# Altium PCB Control_Board_Model_C204.PcbDoc (part 1 of 6) (continued)
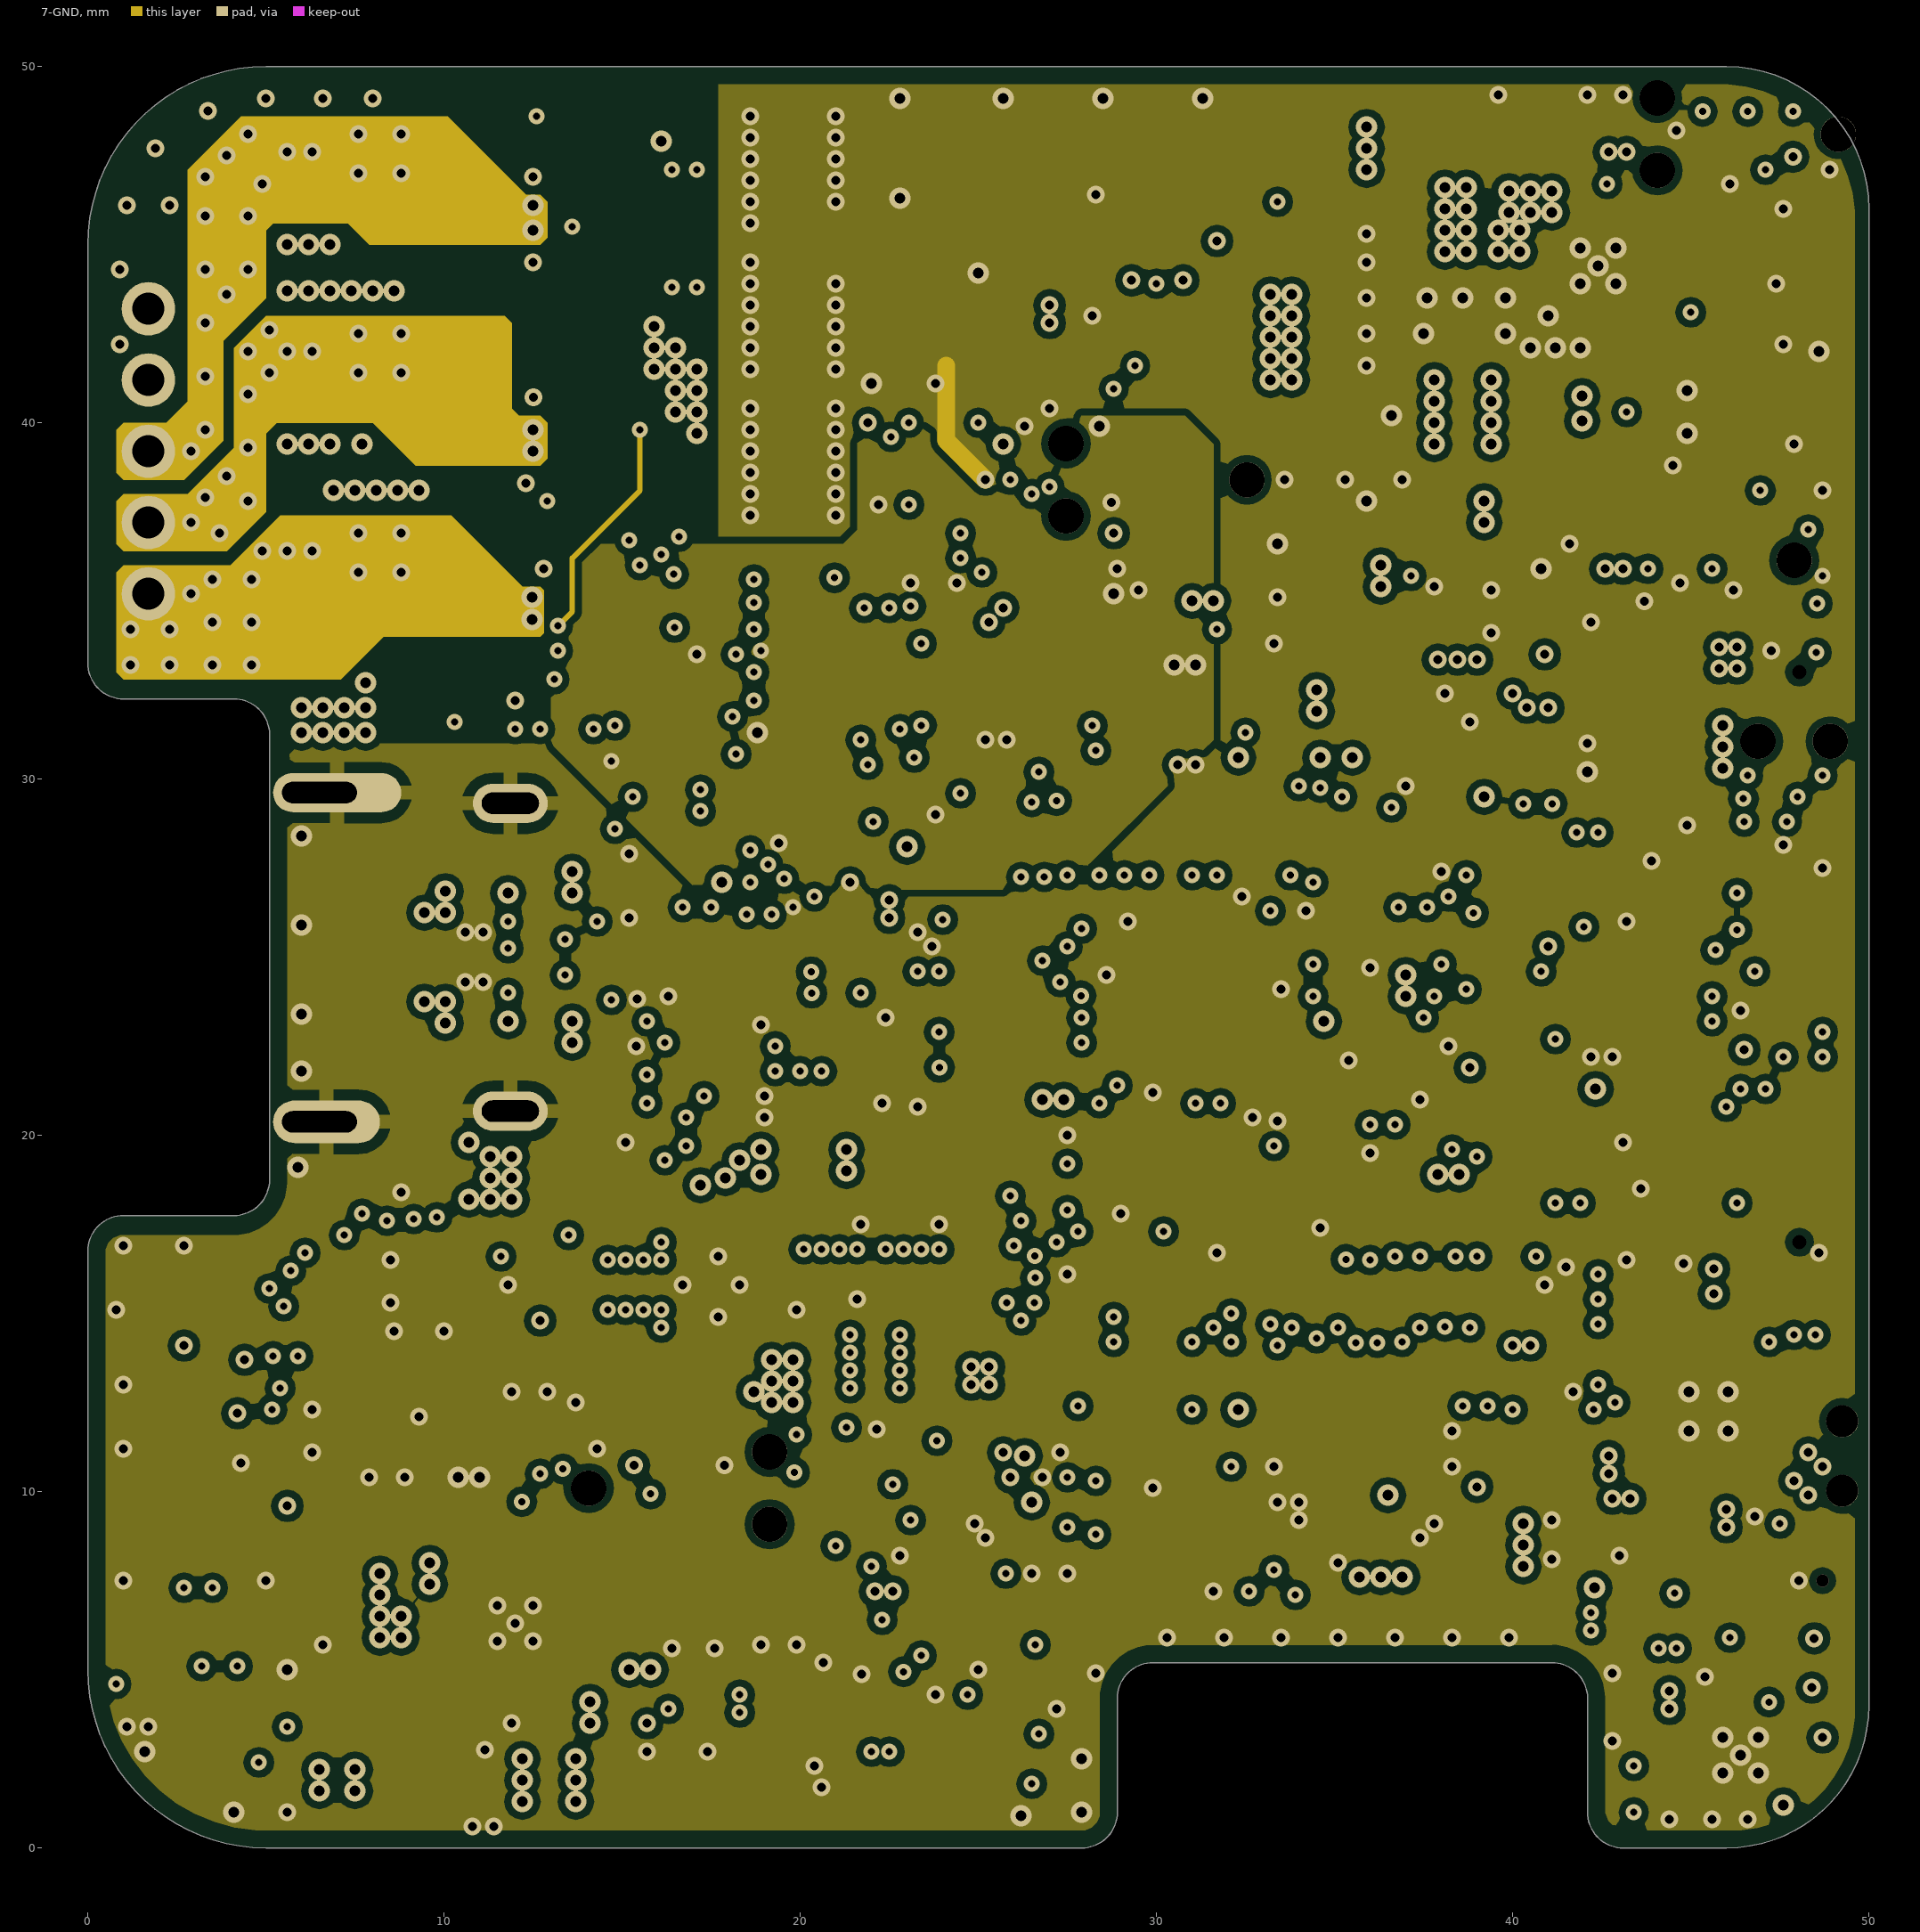
[diagram p7: 7-GND]
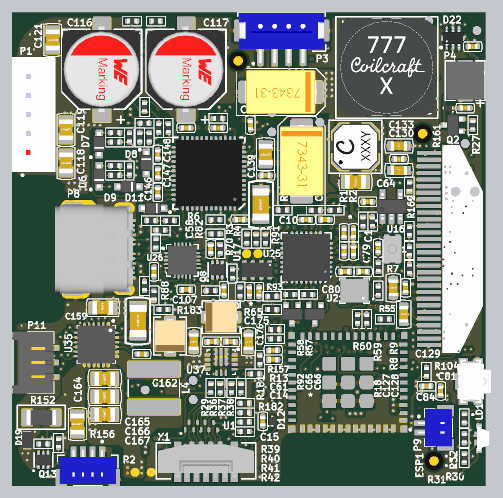
[diagram p13: 3D render of the assembled board from above, using the file's embedded part models]
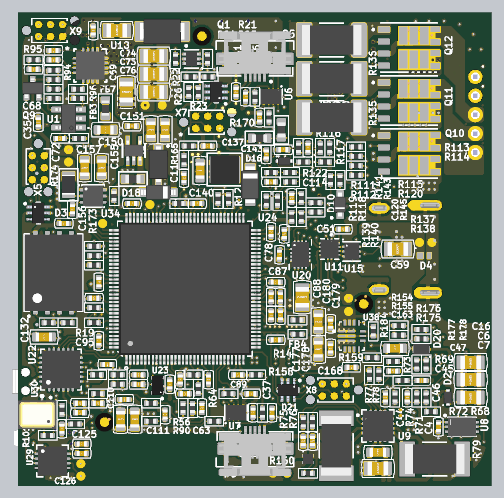
[diagram p14: 3D render of the assembled board from below, using the file's embedded part models]

## Layer stack, top to bottom
Top Solder: solder mask 0.015, WE-SM-0001, Dk 3.5
1-Top: signal copper 0.035
Dielectric 1: prepreg 0.125, WE-PP-0004, Dk 3.5
2-GND: signal copper 0.017
Core 1: core 0.1, WE-CO-0002, Dk 3.5
3-SIGNAL: signal copper 0.017
Dielectric 2: prepreg 0.125, WE-PP-0004, Dk 3.5
4-PWR: signal copper 0.017
Core 2: core 0.1, WE-CO-0002, Dk 3.5
5-GND: signal copper 0.017
Dielectric 3: prepreg 0.125, WE-PP-0004, Dk 3.5
6-SIGNAL: signal copper 0.017
Core 3: core 0.1, WE-CO-0002, Dk 3.5
7-GND: signal copper 0.017
Dielectric 4: prepreg 0.125, WE-PP-0004, Dk 3.5
8-Bottom: signal copper 0.035
Bottom Solder: solder mask 0.015, WE-SM-0001, Dk 3.5

## Board outline
0,5 0,16.75 cw(c1,16.75) 1,17.75 4.1,17.75 ccw(c4.1,18.75) 5.1,18.75 5.1,31.25 ccw(c4.1,31.25) 4.1,32.25 1,32.25 cw(c1,33.25) 0,33.25 0,45 cw(c5,45) 5,50 46.001,50 cw(c46,46) 50,45.999 50.005,45.999 50,4.002 cw(c46,4) 45.998,0 43.1,0 cw(c43.1,1) 42.1,1 42.1,4.2 ccw(c41.1,4.2) 41.1,5.2 29.9,5.2 ccw(c29.9,4.2) 28.9,4.2 28.9,1 cw(c27.9,1) 27.9,0 5,0 cw(c5,5)

## Design rules (kind name [scope] priority, off if disabled: settings)
Clearance Clearance_Polygon [InPolygon] p1: gap=0.2 ignorepadtopadclearanceinfootprint=FALSE
Clearance [All] p2: gap=0.152 ignorepadtopadclearanceinfootprint=FALSE
ComponentClearance [All] p1: gap=0 collisioncheckmode=3 verticalgap=0 showdistances=FALSE
DiffPairsRouting "DiffPairsRouting D90" [All] p1: maxlimit=0.35 minlimit=0.152 mostfreqgap=0.25 toplayer_mingap=0.35 toplayer_prefgap=0.35 toplayer_minwidth=0.152 toplayer_maxwidth=0.2 toplayer_prefwidth=0.2 midlayer1_maxgap=0.152 midlayer1_prefgap=0.152 midlayer1_minwidth=0.152 midlayer1_maxwidth=0.152 midlayer1_prefwidth=0.152 midlayer2_mingap=0.25 midlayer2_maxgap=0.25 midlayer2_minwidth=0.152 midlayer2_maxwidth=0.152 midlayer2_prefwidth=0.152 midlayer3_maxgap=0.152 midlayer3_prefgap=0.152 midlayer3_minwidth=0.152 midlayer3_maxwidth=0.152 midlayer3_prefwidth=0.152 midlayer4_mingap=0.25 midlayer4_maxgap=0.25 midlayer4_minwidth=0.152 midlayer4_maxwidth=0.152 midlayer4_prefwidth=0.152 midlayer5_maxgap=0.152 midlayer5_prefgap=0.152 midlayer5_minwidth=0.152 midlayer5_maxwidth=0.152 midlayer5_prefwidth=0.152 midlayer6_maxgap=0.152 midlayer6_prefgap=0.152 midlayer6_minwidth=0.152 midlayer6_maxwidth=0.152 midlayer6_prefwidth=0.152 bottomlayer_mingap=0.155 bottomlayer_maxgap=0.155 bottomlayer_prefgap=0.155 bottomlayer_minwidth=0.152 bottomlayer_maxwidth=0.2 bottomlayer_prefwidth=0.2 maxuncoupledlength=12.7
HoleSize [All] p1: absolutevalues=TRUE maxlimit=6.3 minlimit=0.15 maxpercent=80.000 minpercent=20.000
HoleToHoleClearance [All] p1: gap=0.15 allowstackedmicrovias=FALSE
MatchedLengths MatchedLengths_QSPI [InNetClass('QSPI')] p1: tolerance=1.27 checknetsindiffpair=FALSE checkdiffpairvsdiffpair=TRUE checkxsignals=TRUE checkothers=TRUE
MinimumAnnularRing MinimumAnnularRing_Via_Int [IsVia and not (OnTopLayer or OnBottomLayer)] p1: minimumring=0
MinimumAnnularRing [All] p2: minimumring=0.152
MinimumSolderMaskSliver [All] p1: minsoldermaskwidth=0
PlaneClearance [All] p1: clearance=0.25
PlaneConnect PlaneConnect_Via [IsVia] p1: planeconnectstyle=Direct reliefexpansion=0.508 reliefentries=4 reliefconductorwidth=0.254 reliefairgap=0.254
PlaneConnect PlaneConnect_HeatTrap [All] p2: pad.planeconnectstyle=Relief pad.reliefexpansion=0.152 pad.reliefentries=4 pad.reliefconductorwidth=0.152 pad.reliefairgap=0.152 via.planeconnectstyle=Direct via.reliefexpansion=0.203 via.reliefentries=4 via.reliefconductorwidth=0.254 via.reliefairgap=0.254
PolygonConnect PolygonConnect_Via [IsVia] p1: connectstyle=Direct reliefconductorwidth=0.254 reliefentries=4 polygonreliefangle="90 Angle" airgapwidth=0.254
PolygonConnect PolygonConnect_TestPoints [InComponentClass('TestPoint')] p2: connectstyle=Direct reliefconductorwidth=0.254 reliefentries=4 polygonreliefangle="90 Angle" airgapwidth=0.254
PolygonConnect [All] p3: connectstyle=Relief reliefconductorwidth=0.4 reliefentries=4 polygonreliefangle="90 Angle" airgapwidth=0.3
RoutingVias "PTH Via" [All] p1: holewidth=0.3 width=0.6 viastyle="Through Hole" minholewidth=0.2 minwidth=0.42 maxholewidth=0.4 maxwidth=0.8
RoutingVias "Micro Via Bottom" [InDrillLayerPair('5-Sig - 6-Bot-GND')] p2: holewidth=0.15 width=0.3 viastyle="Through Hole" minholewidth=0.1 minwidth=0.3 maxholewidth=0.2 maxwidth=0.3
SilkToSilkClearance [All] p1: silktosilkclearance=0
SilkToSolderMaskClearance [IsPad] p1: minsilkscreentomaskgap=0 clearancetoexposedcopper=FALSE
SolderMaskExpansion [All] p1: expansion=0.051 istentingtop=FALSE
Width [All] p1: maxlimit=5.08 minlimit=0.152 preferedwidth=0.254 minimp=50.000000 maximp=50.000000 favimp=50.000000
21 further rules are at their usual default settings.

## Classes and differential pairs
channel class "TPS630250RNCT Buck-Boost Switching Regulator": +3V3_AUDIO_PS +3V3_PS
channel class TC2030-NL_TagConnect_6-pin: P01 P02
component class U_TS3USBCA410_USB_C_SBU_Multiplexer: C77 C78 U20
component class "U_STSPIN32F0A 3-ph BLDC Motor Driver": C136 C137 C138 C139 C140 C141 C142 C143 C144 C145 C146 C147 C148 C149 D14 D15 D16 J9 J10 J11 L2 R165 R166 R167 R168 R169 R170 R171 U32 X7
component class U_PCA9632_4-Ch_LED_Driver: C125 C126 U29
component class U_ESP32-PICO-MINI-02: C109 C110 C111 C112 ESP1 R107 R108
component class "Power Management": R65 R154 R155 R157 R158 R159 R160
component class P31.1: C127 C128 C129 C130 C131 C132 C133 OLED1 R161 R162
component class H-Bridge-control&sense: C113 C114 C115 C116 C117 C118 C119 C120 C121 D6 D7 D8 D9 D10 D11 J1 J2 J3 J5 J6 J7 J8 Q10 Q11 Q12 R109 R110 R111 R112 R113 R114 R115 R116 R117 R118 R119 R120 R121 R122 R123 R124 R125 R126 R127 R128 R129 R130 R131 R132 R133 R134 R135 R136 R137 R138 R139 R140 R141 R142 R143 R144 R145 R146 R147 R148
component class FLASH: C124 R149 R150 R151 U28
component class DISP_PS: C150 C151 C152 C153 C154 D17 D18 FB7 L3 R172 U33
component class P128: C79 C80 NT6 NT7 NT8 U21
component class +3V3_AUDIO_PS: C173 C174 C175 C176 L5 R181 R182 U37
component class "U_TPS22810 2": C155 C156 C157 R173 R174 U34
component class P103: C67 C68 C69 C70 C71 C72 C73 C74 C75 C76 D5 FB3 L1 Q9 R94 R95 R96 R97 R98 R99 R100 U18 U19
component class STM32G473CETx: C61 C62 C63 NT1 NT2 Q13 R5 R6 R7 R19 R20 R85 R86 R87 R88 R89 R90 R131 R132 R133 R134 R146 R147 R153 R156
net class PG[0..9]: PG0 PG1 PG2 PG3 PG4 PG5 PG6 PG7 PG8 PG9
net class PF[0..15]: GPIO39 PF0 PF1 PF2 PF4 PF5 PF6 PF7 PF8 PF9 PF10 PF11 PF12 PF13 PF14 PF15
net class PE[0..15]: PE0 PE1 PE2 PE3 PE4 PE5 PE6 PE7 PE8 PE9 PE10 PE11 PE12 PE13 PE14 PE15
net class PD[0..15]: GPIO14 GPIO27 PD0 PD1 PD2 PD5 PD6 PD7 PD8 PD9 PD10 PD11 PD12 PD13 PD14 PD15
component class STM32G473QETx: C87 C88 C89 C90 C91 C92 C93 C94 C95 C96 C97 C98 C99 C100 C101 FB4 R105 U24
component class RTC_XTAL: C86 U23
component class MIC1: C134 FB5 R163 U30
component class MCU: U23
component class I2C_SW: R1 R2 R3 R4
component class TCPP: C58 C60 C107 C108 Q8 Q10 Q11 Q12 R29 R36 R37 R38 R39 R40 R41 R81 R82 R103 R104 U26
component class CODEC: C81 C82 C83 C84 C85 R102 R103 R104 U22
net class QSPI: PE10 PE11 PE12 PE13 PE14 PE15
net class PC[0..15]: PC0 PC1 PC2 PC3 PC4 PC5 PC6 PC7 PC8 PC9 PC10 PC11 PC12 PC13 PC14 PC15
net class PB[0..15]: PB0 PB1 PB2 PB3 PB4 PB5 PB6 PB7 PB8 PB9 PB10 PB11 PB12 PB13 PB14 PB15
net class PA[0..15]: GPIO25 GPIO26 PA0 PA1 PA4 PA5 PA6 PA7 PA8 PA9 PA10 PA11 PA12 PA13 PA14 PA15
net class GPIO[0..39]: GPIO0 GPIO1 GPIO2 GPIO3 GPIO4 GPIO5 GPIO7 GPIO8 GPIO12 GPIO13 GPIO14 GPIO15 GPIO19 GPIO20 GPIO21 GPIO22 GPIO25 GPIO26 GPIO27 GPIO32 GPIO33 GPIO34 GPIO35 GPIO36 GPIO37 GPIO38 GPIO39
component class USB_MUX: C51 R83 R84 U11
component class P110: C44 C45 C46 C47 C48 C49 R68 R69 R70 R71 R72 R73 R74 R75 R76 R77 R78 R79 R80 U9
component class P109: C137 C143
component class U_ESP32-WROOM32D_Module: Q6 Q7 R55 R56 R57 R58
component class P01: C169 D22 X9
component class P02: C168 D21 X8
component class USB-to-UART_Bridge: C102 C103 C104 C105 C106 R106 U25
component class P105: C64 U16
component class TestPoint: TP1 TP2 TP3 TP4 TP5 TP6 TP7 TP8 TP9 TP10 TP11 TP12 TP13 TP14 TP15 TP16 TP17 TP18 TP?
component class +1V8_PS: C122 C123 R160 U27
component class "Net Tie": J1 J2 J3 J5 J6 J7 J8 J9 J10 J11 NT3 NT4 NT5
component class P26: C65 C66 R91 R92 R93 U17
component class +3V3_PS: C177 C178 C179 C180 L6 R42 R159 R183 R184 U38
component class "Battery Charger": C2 C4 C159 C162 C163 C164 C165 C166 C167 D19 D20 L4 P11 R152 R175 R176 R177 R178 U8 U35
differential pair SENSE3: +SENSE3_P -SENSE3_N
differential pair SENSE2: +SENSE2_P -SENSE2_N
differential pair SENSE1: +SENSE1_P -SENSE1_N
differential pair D: +D_P -D_N
differential pair CONN_D: +CONN_D_P -CONN_D_N
differential pair D1: +D1_P -D1_N
differential pair D2: +D2_P -D2_N
differential pair D3: +D3_P -D3_N

## Components (designator, comment, footprint, x,y, rotation, side; value= is the part's Value field where it differs from the comment)
BTN1 "BOOT" "SWITCH USLPT2819DT2TR TACTILE TE" 40.2,25 r270 top
BTN2 "Motor on/off" "SWITCH KMS231GLFS" 48.5,11 r90 top locked
C1 "CAP CER 0.1UF 50V X7R 0402" C0402 38.7,25.1 r270 top (schematic designator C4)
C2 "CAP CER 10UF 25V X7R 1206" C1206#1 13.3,17.4 r270 top (schematic designator C1)
C3 "CAP TANT 68UF 20% 25V 2917" CT7343 28.4,41.6 r180 top (schematic designator C9)
C4 "CAP CER 0.1UF 16V X7R 0402" C0402 5.6,6.2 r90 bottom (schematic designator C9)
C5 "CAP CER 1UF 6.3V X5R 0402" C0402 47.9,39.9 r0 top (schematic designator C24)
C6 "CAP CER 100UF 6.3V X5R 0805" C0805 2.2,11.2 r0 bottom (schematic designator C8)
C7 "CAP CER 100UF 6.3V X5R 0805" C0805 2.2,9.3 r0 bottom (schematic designator C10)
C8 "CAP CER 0.1UF 16V X7R 0402" C0402 42,19.8 r0 bottom (schematic designator C27)
C9 "CAP CER 0.1UF 16V X7R 0402" C0402 22.8,15.4 r180 bottom (schematic designator C28)
C10 "CAP CER 0.1UF 16V X7R 0402" C0402 31.084,28.1 r180 top (schematic designator C29)
C11 "CAP CER 0.1UF 16V X7R 0402" C0402 32.5,32.5 r90 bottom (schematic designator C30)
C12 "CAP CER 0.1UF 16V X7R 0402" C0402 34,10.7 r270 bottom (schematic designator C31)
C13 "CAP CER 0.1UF 16V X7R 0402" C0402 32.4,9.7 r0 bottom (schematic designator C32)
C14 "CAP CER 0.1UF 16V X7R 0402" C0402 27.6,13.3 r180 top (schematic designator C33)
C15 "CAP CER 0.1UF 16V X7R 0402" C0402 26.5,6.8 r90 top (schematic designator C34)
C16 "CAP CER 100UF 6.3V X5R 0805" C0805 2.2,13 r0 bottom (schematic designator C13)
C35 "CAP CER 0.1UF 50V X7R 0402" C0402 47.9,38.4 r270 bottom (schematic designator C56)
C36 "CAP CER 0.1UF 50V X7R 0402" C0402 24.5,38.9 r270 bottom (schematic designator C11)
C37 "CAP CER 0.1UF 50V X7R 0402" C0402 25.4,9.7 r180 bottom (schematic designator C12)
C39 "DNP*" C0402 26,41.1 r90 bottom (schematic designator C14)
C40 "DNP*" C0402 25.2,7.7 r270 bottom (schematic designator C15)
C41 "CAP CER 1UF 6.3V X5R 0402" C0402 27,41.6 r90 bottom (schematic designator C16)
C42 "CAP CER 1UF 6.3V X5R 0402" C0402 23.2,7.7 r270 bottom (schematic designator C17)
C44 "CAP CER 10nF 25V X7R 10% 0402" C0402 11.2,9.3 r270 bottom (schematic designator C1)
C45 "CAP CER 1000PF 50V X7R 0402" C0402 10.4,12.1 r0 bottom (schematic designator C2)
C46 "CAP CER 1UF 6.3V X5R 0402" C0402 8.9,9.3 r270 bottom (schematic designator C3)
C47 "CAP CER 0.022UF 25V X7R 0402" C0402 7.4,11.1 r0 bottom (schematic designator C4)
C48 "CAP CER 22UF 25V X5R 0805" C0805 12,1.8 r180 bottom (schematic designator C5)
C49 "CAP CER 2.2UF 16V X5R 0603" C0603 12,3.5 r180 bottom (schematic designator C6)
C51 "CAP CER 0.1UF 50V X7R 0402" C0402 15.7,27.1 r0 bottom (schematic designator C1)
C58 "CAP CER 220PF 50V X7R 0402" C0402 21,25 r270 top (schematic designator C1)
C59 "CAP CER 4.7UF 35V X7R 0805" C0805 9.9,25 r0 bottom (schematic designator C2)
C60 "CAP CER 220PF 50V X7R 0402" C0402 22.4,20.6 r90 top (schematic designator C3)
C61 "CAP CER 0.1UF 50V X7R 0402" C0402 27.6,14.3 r0 top (schematic designator C6)
C62 "CAP CER 0.1UF 50V X7R 0402" C0402 30.6,8.2 r90 bottom (schematic designator C7)
C63 "CAP CER 0.1UF 50V X7R 0402" C0402 34.5,7.5 r270 bottom (schematic designator C57)
C64 "CAP CER 0.1UF 50V X7R 0402" C0402 37.6,30 r0 top (schematic designator C1)
C65 "CAP CER 0.1UF 16V X7R 0402" C0402 25.1,20.5 r90 top (schematic designator C1)
C66 "CAP CER 0.1UF 16V X7R 0402" C0402 26.1,20.5 r90 top (schematic designator C2)
C67 "CAP CER 0.1UF 50V X7R 0402" C0402 46.3,46 r180 bottom (schematic designator C1)
C68 "CAP CER 0.1UF 50V X7R 0402" C0402 48.4,44 r0 bottom (schematic designator C2)
C69 "CAP CER 22UF 25V X5R 0805" C0805 38.6,41.6 r270 bottom (schematic designator C3)
C70 "CAP CER 0.1UF 50V X7R 0402" C0402 42.1,48.1 r270 bottom (schematic designator C4)
C71 "CAP CER 1800PF 50V X7R 0402" C0402 46.3,45 r180 bottom (schematic designator C5)
C72 "CAP CER 1UF 16V X5R 0402" C0402 45.6,36.7 r180 bottom (schematic designator C6)
C73 "CAP CER 22UF 25V X5R 0805" C0805 39.6,48.1 r180 bottom (schematic designator C7)
C74 "CAP CER 22UF 25V X5R 0805" C0805 35.7,45.4 r180 bottom (schematic designator C8)
C75 "CAP CER 22UF 25V X5R 0805" C0805 35.7,43.5 r180 bottom (schematic designator C9)
C76 "CAP CER 22UF 25V X5R 0805" C0805 35.7,41.6 r180 bottom (schematic designator C10)
C77 "CAP CER 1UF 16V X5R 0402" C0402 21.9,26.6 r90 bottom (schematic designator C1)
C78 "CAP CER 0.1UF 50V X7R 0402" C0402 22.4,24.4 r270 bottom (schematic designator C2)
C79 "CAP CER 0.1UF 50V X7R 0402" C0402 37.1,22.6 r0 top (schematic designator C1)
C80 "CAP CER 0.1UF 50V X7R 0402" C0402 35.2,22.6 r0 top (schematic designator C2)
C81 "CAP CER 10nF 25V X7R 10% 0402" C0402 45.3,10 r270 top (schematic designator C19)
C82 "CAP CER 10PF 50V C0G/NP0 0402" C0402 41.6,8.7 r0 bottom (schematic designator C20)
C83 "CAP CER 100PF 50V C0G/NPO 0402" C0402 43.5,8.7 r0 bottom (schematic designator C21)
C84 "CAP CER 10nF 25V X7R 10% 0402" C0402 43.8,10.5 r180 top (schematic designator C22)
C85 "CAP CER 0.1UF 50V X7R 0402" C0402 43.5,7.7 r0 bottom (schematic designator C23)
C86 "CAP CER 0.1UF 50V X7R 0402" C0402 37.3,10.7 r180 bottom (schematic designator C5)
C87 "CAP CER 0.1UF 50V X7R 0402" C0402 22.8,21.5 r0 bottom (schematic designator C2)
C88 "CAP CER 10uF X7R 10% 0805" C0805 20,19.9 r90 bottom (schematic designator C7)
C89 "CAP CER 0.1UF 50V X7R 0402" C0402 26.8,11.7 r180 bottom (schematic designator C3)
C90 "CAP CER 0.1UF 50V X7R 0402" C0402 41.5,21.5 r90 bottom (schematic designator C8)
C91 "CAP CER 0.1UF 50V X7R 0402" C0402 32.9,11.2 r90 bottom (schematic designator C4)
C92 "CAP CER 0.1UF 50V X7R 0402" C0402 38,29.8 r180 bottom (schematic designator C9)
C93 "CAP CER 0.1UF 50V X7R 0402" C0402 37.3,11.7 r180 bottom (schematic designator C5)
C94 "CAP CER 0.1UF 50V X7R 0402" C0402 31.1,29.8 r180 bottom (schematic designator C10)
C95 "CAP CER 0.1UF 50V X7R 0402" C0402 41.5,15.3 r90 bottom (schematic designator C6)
C96 "CAP CER 0.1UF 50V X7R 0402" C0402 23.3,26.8 r270 bottom (schematic designator C11)
C97 "CAP CER 0.1UF 50V X7R 0402" C0402 23.3,18 r90 bottom (schematic designator C12)
C98 "CAP CER 1UF 16V X5R 0402" C0402 22.3,18 r90 bottom (schematic designator C13)
C99 "CAP CER 0.1UF 50V X7R 0402" C0402 23.3,19.9 r270 bottom (schematic designator C14)
C100 "CAP CER 1UF 16V X5R 0402" C0402 22.3,19.9 r270 bottom (schematic designator C15)
C101 "CAP CER 0.1UF 50V X7R 0402" C0402 29.9,11.2 r270 bottom (schematic designator C1)
C102 "CAP CER 1UF 16V X5R 0402" C0402 33.1,28.1 r180 top (schematic designator C1)
C103 "CAP CER 0.1UF 50V X7R 0402" C0402 35.1,24.8 r90 top (schematic designator C2)
C104 "CAP CER 1UF 16V X5R 0402" C0402 36.1,24.8 r90 top (schematic designator C3)
C105 "CAP CER 1UF 16V X5R 0402" C0402 36.1,26.7 r270 top (schematic designator C4)
C106 "CAP CER 0.1UF 50V X7R 0402" C0402 35.1,26.7 r270 top (schematic designator C5)
C107 "CAP CER 1UF 16V X5R 0402" C0402 18.4,20.7 r0 top (schematic designator C1)
C108 "CAP CER 0.1UF 50V X7R 0402" C0402 15,22.6 r90 top (schematic designator C2)
C109 "CAP CER 1UF 16V X5R 0402" C0402 40.6,12.8 r180 bottom (schematic designator C1)
C110 "CAP CER 10UF 16V X5R 0603" C0603 39.2,7 r90 bottom (schematic designator C2)
C111 "CAP CER 10UF 16V X5R 0603" C0603 37.7,7 r90 bottom (schematic designator C3)
C112 "CAP CER 0.1UF 16V X7R 0402" C0402 38.8,9.1 r0 bottom (schematic designator C4)
C113 "DNP*" C0402 19.4,35.7 r90 bottom (schematic designator C1)
C114 "DNP*" C0402 23.3,32.1 r0 bottom (schematic designator C4)
C115 "CAP CER 1000PF 50V X7R 0402" C0402 18.4,37.8 r180 top (schematic designator C9)
C116 "CAP ALUM 100UF 20% 25V SMD" WCAP-ASLI_8.3X6.5 9.5,44 r90 top (schematic designator C7)
C117 "CAP ALUM 220UF 20% 35V SMD" WCAP-ASLI_8.3X6.5 18.4,44 r90 top (schematic designator C8)
C118 "CAP CER 220NF 100V X7R 0805" C0805 5.7,34.1 r270 top (schematic designator C3)
C119 "CAP CER 220NF 100V X7R 0805" C0805 5.7,37.6 r90 top (schematic designator C5)
C120 "DNP*" C0402 21.1,30.4 r90 bottom (schematic designator C2)
C121 "CAP CER 220NF 100V X7R 0805" C0805 4.3,47.1 r270 top (schematic designator C6)
C122 "CAP CER 2.2UF 6.3V X5R 0402" C0402 18.9,4.7 r270 bottom (schematic designator C1)
C123 "CAP CER 2.2UF 6.3V X5R 0402" C0402 19.9,4.7 r270 bottom (schematic designator C2)
C124 "CAP CER 0.1UF 50V X7R 0402" C0402 45.2,27.7 r0 bottom (schematic designator C1)
C125 "CAP CER 1UF 16V X5R 0402" C0402 43.3,4.4 r0 bottom (schematic designator C1)
C126 "CAP CER 0.1UF 50V X7R 0402" C0402 43.3,3.4 r0 bottom (schematic designator C2)
C127 "CAP CER 4.7UF 10V X5R 0603" C0603 40.3,20.9 r90 top (schematic designator C1)
C128 "CAP CER 0.1UF 50V X7R 0402" C0402 41.6,20.9 r90 top (schematic designator C2)
C129 "CAP CER 1UF 16V X5R 0603" C0603 41.4,18.1 r90 top value=1uF (schematic designator C3)
C130 "CAP CER 2.2UF 16V X5R 0603" C0603 40.9,33.3 r0 top (schematic designator C4)
C131 "CAP CER 4.7UF 16V X5R 0603" C0603 40.9,35.9 r180 top (schematic designator C5)
C132 "CAP CER 1UF 16V X5R 0603" C0603 47.3,15.7 r0 bottom value=1uF (schematic designator C6)
C133 "CAP CER 0.1UF 50V X7R 0402" C0402 40.9,34.5 r180 top (schematic designator C7)
C134 "CAP CER 0.1UF 50V X7R 0402" C0402 45.4,6 r90 bottom (schematic designator C54)
C136 "CAP CER 0.1UF 50V X7R 0402" C0402 30,35.9 r0 bottom (schematic designator C14)
C137 "CAP CER 0402 3.3NF 50V X7R 10%" C0402 23.8,35 r270 bottom (schematic designator C4)
C138 "CAP CER 0.1UF 50V X7R 0402" C0402 21.8,37.8 r0 top (schematic designator C12)
C139 "CAP CER 10UF 25V X7R 1206" C1206#2 26.3,29.7 r90 top (schematic designator C2)
C140 "CAP CER 47UF 6.3V X5R 0603" C0603 30.8,33.3 r90 bottom (schematic designator C9)
C141 "CAP CER 0.1UF 50V X7R 0402" C0402 26.8,32.8 r0 top (schematic designator C3)
C142 "CAP TANT 22UF 10% 35V 2917" CT7343 30.6,34.3 r270 top (schematic designator C5)
C143 "CAP CER 0402 4.7NF 50V X7R 10%" C0402 22,35.5 r180 bottom (schematic designator C13)
C144 "CAP CER 220NF 100V X7R 0805" C0805 26.8,35 r270 top (schematic designator C6)
C145 "CAP CER 0.1UF 50V X7R 0402" C0402 25.2,38.1 r90 top (schematic designator C10)
C146 "CAP CER 0.1UF 50V X7R 0402" C0402 15.4,31 r90 top (schematic designator C7)
C147 "CAP CER 0.1UF 50V X7R 0402" C0402 15.4,33 r90 top (schematic designator C8)
C148 "CAP CER 0.1UF 50V X7R 0402" C0402 15.4,35 r90 top (schematic designator C11)
C149 "CAP CER 0.1UF 50V X7R 0402" C0402 24.1,28.1 r0 top (schematic designator C1)
C150 "CAP CER 10UF 16V X5R 0603" C0603 40.8,37.6 r180 bottom (schematic designator C1)
C151 "CAP CER 0.1UF 50V X7R 0402" C0402 38,38 r180 bottom (schematic designator C2)
C152 "CAP CER 10UF 16V X7R 0805" C0805 36.3,32.1 r180 top (schematic designator C3)
C153 "CAP CER 10UF 16V X5R 0603" C0603 34.5,37.6 r270 bottom (schematic designator C4)
C154 "CAP CER 10UF 16V X5R 0603" C0603 36,37.6 r90 bottom (schematic designator C5)
C155 "CAP CER 2.2UF 35V X5R 0603" C0603 41.2,33.6 r90 bottom (schematic designator C1)
C156 "CAP CER 0.1UF 16V X7R 0402" C0402 44.3,29.2 r270 bottom (schematic designator C2)